# Altium PCB Starboard Deployable Solar Panel 2U.PcbDoc
Units mm, origin at the board's own origin, x right, y up, seen from the top; angles counter-clockwise.
Board outline 214 x 81 mm, 2 copper layers (Top Layer, Bottom Layer), stack 1.649 mm thick; 53 components, 35 nets, 166 pads, 733 vias.
Unrouted connection lines stored in the file: 33.
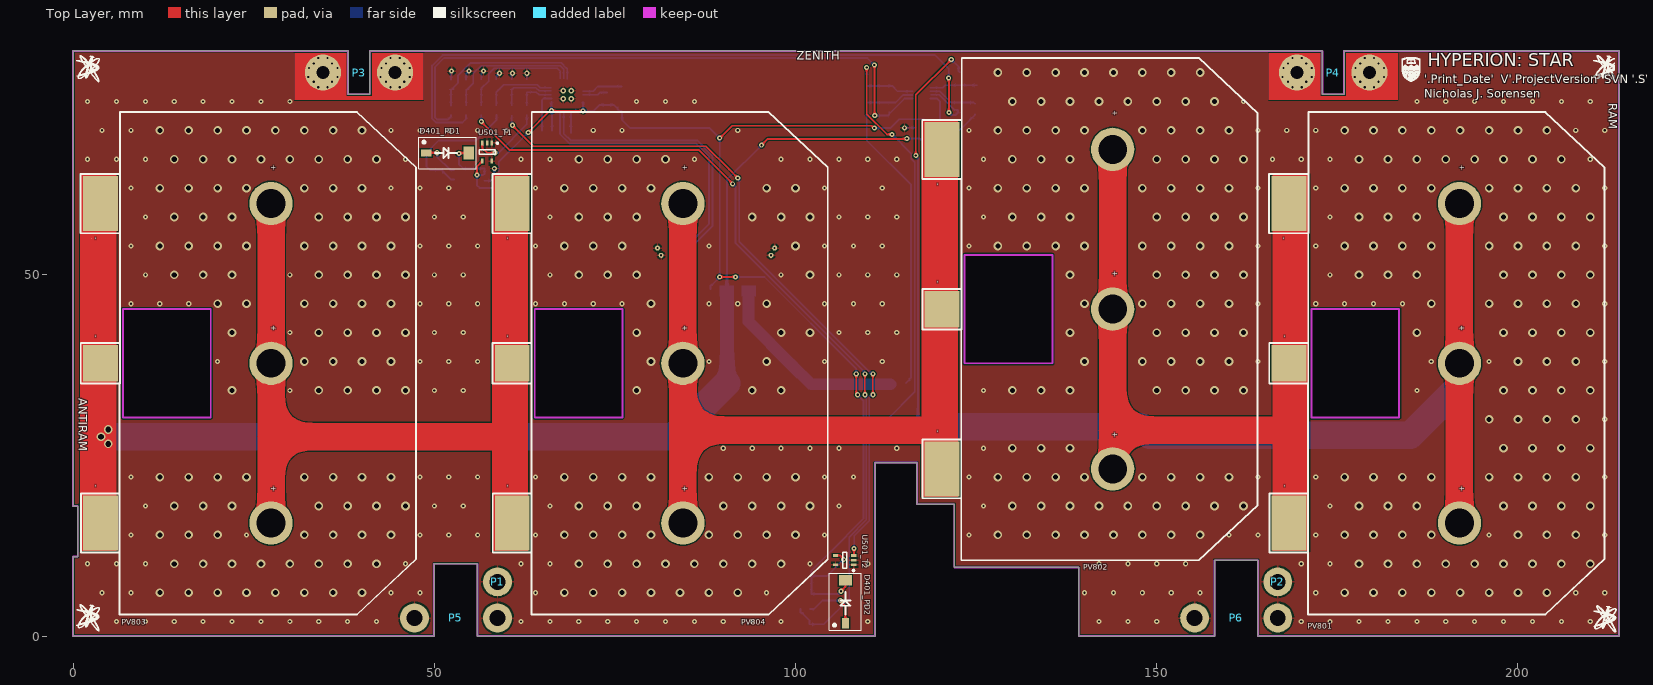
[diagram p0: Top Layer view]
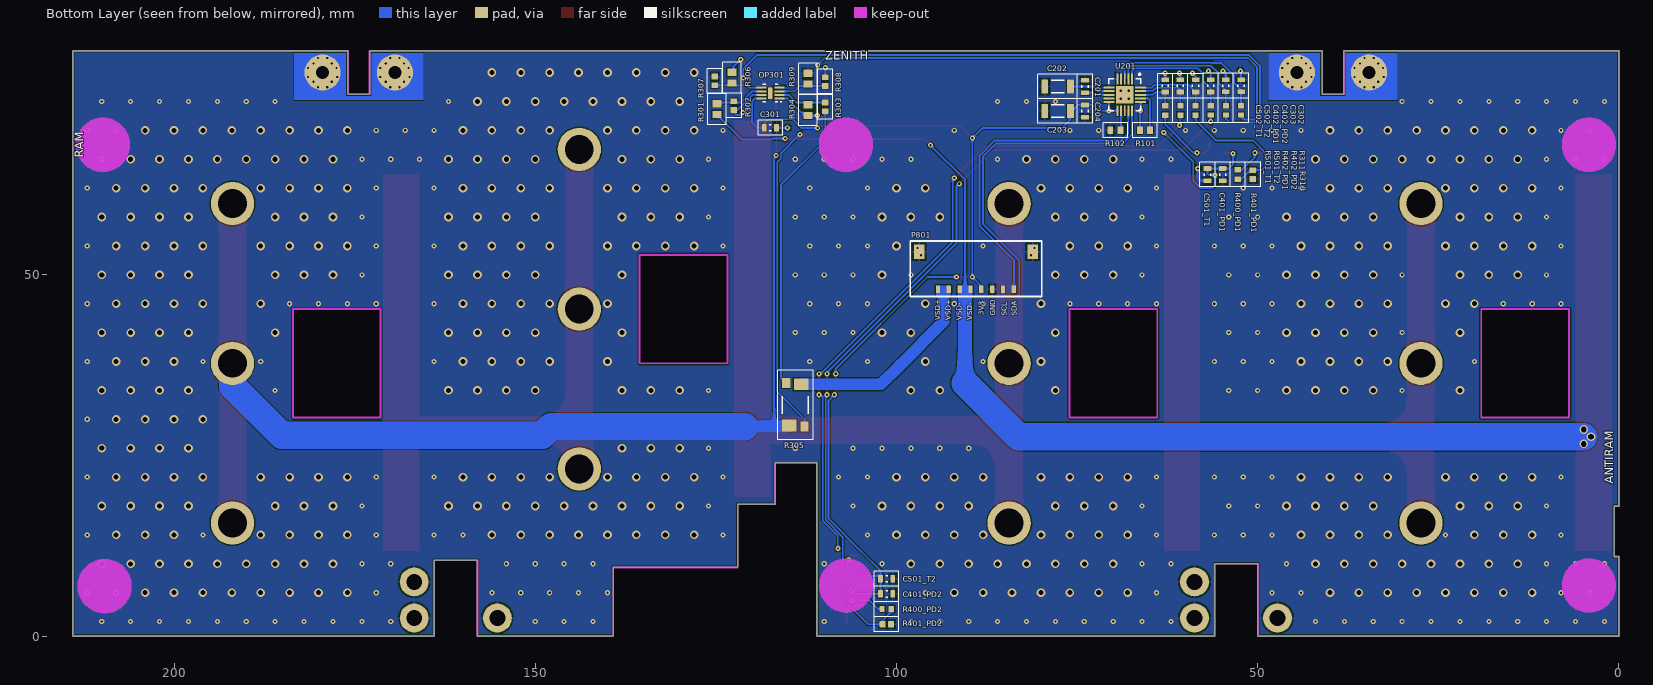
[diagram p1: Bottom Layer view, seen from below]

## Layer stack, top to bottom
Top Solder: solder mask 0.01, Solder Resist, Dk 3.5
Top Layer: signal copper 0.07
Dielectric 1: dielectric 1.509, FR-4, Dk 4.8
Bottom Layer: signal copper 0.07
Bottom Solder: solder mask 0.01, Solder Resist, Dk 3.5

## Board outline
0,11 0.65,11 0.65,18 0,18 0,81 38.055,81 38.055,75 41.055,75 41.055,80.99 41.065,81 172.925,81 172.925,75 175.915,75 175.925,75.01 175.925,81 214,81 214,0 164,0 164,10.5 158,10.5 158,0 139.2,0 139.2,9.5 121.965,9.5 121.965,18.25 116.8,18.25 116.8,24 111,24 111,0 55.965,0 55.965,10 49.965,10 49.965,0 0,0
cut-out: 171.4,30.254 183.55,30.254 183.55,45.254 171.4,45.254
cut-out: 6.9,30.254 19.05,30.254 19.05,45.254 6.9,45.254
cut-out: 63.9,30.254 76.05,30.254 76.05,45.254 63.9,45.254
cut-out: 123.4,37.754 135.55,37.754 135.55,52.754 123.4,52.754

## Design rules (kind name [scope] priority, off if disabled: settings)
BoardOutlineClearance [All] p1: gap=0.254 ignorepadtopadclearanceinfootprint=FALSE
Clearance Clearance_1 [(InComponent('P701') OR InComponent('P702')) vs (InNet('GND') OR OnLayer('Top Layer') OR OnLayer('Bottom Layer'))] p1: gap=0.5 ignorepadtopadclearanceinfootprint=FALSE
Clearance [All] p2: gap=0.152 ignorepadtopadclearanceinfootprint=FALSE
HoleSize [All] p1: absolutevalues=TRUE maxlimit=6 minlimit=0.3 maxpercent=80.000 minpercent=20.000
MinimumAnnularRing [All] p1: minimumring=0.15
MinimumSolderMaskSliver [All] p1: minsoldermaskwidth=0.127
PolygonConnect [All] p1: connectstyle=Relief reliefconductorwidth=0.254 reliefentries=4 polygonreliefangle="90 Angle" airgapwidth=0.254
RoutingVias [All] p1: holewidth=0.3 width=0.7 viastyle="Through Hole" minholewidth=0.2 minwidth=0.7 maxholewidth=6 maxwidth=7 useviatemplates=TRUE viatemplateguid#1={477D698C-0277-436F-B421-087B16838C2D} viatemplatename#1=v70h30m0mx0
SilkToSilkClearance [All] p1: silktosilkclearance=0.025
SilkToSolderMaskClearance [IsPad] p1: minsilkscreentomaskgap=0.025 clearancetoexposedcopper=TRUE
SolderMaskExpansion [All] p1: expansion=0.076 istentingtop=FALSE
Width [All] p1: maxlimit=10.16 minlimit=0.152 preferedwidth=0.254
26 further rules are at their usual default settings.

## Classes and differential pairs
component class Headers: P801
channel class Temp_Sensor: T1 T2 T3
channel class Photodiode_Sun_Sensor: PD1 PD2 PD3
component class T2: C501_T2 C502_T2 R501_T2 U501_T2
component class T1: C501_T1 C502_T1 R501_T1 U501_T1
component class "Starboard Depoyable 2U": R101 R102
component class PD2: C401_PD2 C402_PD2 D401_PD2 R400_PD2 R401_PD2 R402_PD2
component class PD1: C401_PD1 C402_PD1 D401_PD1 R400_PD1 R401_PD1 R402_PD1
component class "Mechanical Interfacing": P1 P2 P3 P4 P5 P6
component class "Current and Voltage Sensors": C301 C302 C303 OP301 R301 R302 R303 R304 R305 R306 R307 R308 R309 R310 R311
component class "Photovoltaic Array": PV801 PV802 PV803 PV804 Q101
net class VIN[0..7]: VIN0 VIN1 VIN2 VIN3 VIN4 VIN5 VIN6
component class "U_AD7291 12-Bit I2C ADC": C201 C202 C203 C204 U201

## Components (designator, comment, footprint, x,y, rotation, side; value= is the part's Value field where it differs from the comment)
C201 "Cap" TDK-CGA3E 73.9,76.07 r270 bottom value=1µF
C202 "Cap" TDK-CGA5L 77.7,76.07 r0 bottom value=10µF
C203 "Cap" TDK-CGA5L 77.7,72.67 r0 bottom value=10µF
C204 "Cap" TDK-CGA3E 73.9,72.67 r90 bottom value=0.1µF
C301 "Cap" TDK-CGA3E 117.45,70.35 r0 bottom value=0.1µF
C302 "Cap" TDK-CGA3E 52.3,76.17 r270 bottom value=680pF
C303 "Cap" TDK-CGA3E 54.401,76.17 r270 bottom value=680pF
C401_PD1 "Cap" TDK-CGA3E 54.85,63.864 r90 bottom value=0.1µF (schematic designator C401)
C401_PD2 "Cap" TDK-CGA3E 101.35,5.83 r0 bottom value=0.1µF (schematic designator C401)
C402_PD1 "Cap" TDK-CGA3E 58.601,76.15 r270 bottom value=680pF (schematic designator C402)
C402_PD2 "Cap" TDK-CGA3E 56.5,76.168 r270 bottom value=680pF (schematic designator C402)
C501_T1 "Cap" TDK-CGA3E 56.95,63.864 r90 bottom value=0.1µF (schematic designator C501)
C501_T2 "Cap" TDK-CGA3E 101.35,7.93 r0 bottom value=0.1µF (schematic designator C501)
C502_T1 "Cap" TDK-CGA3E 62.8,76.15 r270 bottom value=680pF (schematic designator C502)
C502_T2 "Cap" TDK-CGA3E 60.701,76.15 r270 bottom value=680pF (schematic designator C502)
D401_PD1 "PDB-C160SMCT-ND" PDB-C160SM 48.875,66.868 r0 top (schematic designator D401)
D401_PD2 "PDB-C160SMCT-ND" PDB-C160SM 106.9,1.8 r90 top (schematic designator D401)
OP301 "OPA2333" TI-DSG0008A 117.45,75.15 r0 bottom
P1 "Mounting_Hole" BURNWIRE_SCREW_SMALL_FOOT 58.75,7.5 r0 top
P2 "Mounting_Hole" BURNWIRE_SCREW_SMALL_FOOT 166.75,7.5 r0 top
P3 "Mounting_Hole" DEPHINGE_MOUNTING_HOLE 44.575,78 r180 top
P4 "Mounting_Hole" DEPHINGE_MOUNTING_HOLE 179.425,78 r180 top
P5 "Switch Depressor" SWITCH_DEPRESSOR 53,2.5 r0 top
P6 "Switch Depressor" SWITCH_DEPRESSOR 161,2.5 r0 top
P801 "WM14421CT-ND" MOLX-5040500891 89,48 r0 bottom
PV801 "XTJPrime" "XTJ PRIME" 191.9,37.754 r90 top
PV802 "XTJPrime" "XTJ PRIME" 143.9,45.254 r90 top
PV803 "XTJPrime" "XTJ PRIME" 27.4,37.754 r90 top
PV804 "XTJPrime" "XTJ PRIME" 84.4,37.754 r90 top
R101 "Res3" VSH-0603MCT 65.6,70 r0 bottom value=10k
R102 "Res3" VSH-0603MCT 69.7,70 r0 bottom value=10k
R301 "0.1% 1/8W" PANA-ERA6A 124.846,72.925 r90 bottom value=1M
R302 "0.1% 1/10W 0603" PANA-ERA3A 122.496,73.425 r270 bottom value=154k
R303 "0.1% 1/10W 0603" PANA-ERA3A 109.857,73.25 r90 bottom value=2.4k
R304 "0.1% 1/8W" PANA-ERA6A 112.257,72.8 r270 bottom value=1M
R305 "Res Sense" VSH-2512R4C 114,32 r90 bottom value=0.01
R306 "0.1% 1/8W" PANA-ERA6A 122.75,77.3 r270 bottom value=1M
R307 "0.1% 1/10W 0603" PANA-ERA3A 125.15,76.85 r90 bottom value=154k
R308 "0.1% 1/10W 0603" PANA-ERA3A 109.857,76.75 r270 bottom value=2.4k
R309 "0.1% 1/8W" PANA-ERA6A 112.257,77.15 r90 bottom value=1M
R310 "Res3" PANA-ERJ3EK 52.3,72.77 r270 bottom value=100
R311 "Res3" PANA-ERJ3EK 54.4,72.77 r270 bottom value=100
R400_PD1 "Res3" PANA-ERJ3EK 52.762,63.867 r90 bottom value=9.09k (schematic designator R400)
R400_PD2 "Res3" PANA-ERJ3EK 101.35,3.729 r0 bottom value=9.09k (schematic designator R400)
R401_PD1 "0.1% 1/16W" PANA-ERA3A 50.65,63.864 r90 bottom value=24k (schematic designator R401)
R401_PD2 "0.1% 1/16W" PANA-ERA3A 101.35,1.63 r0 bottom value=24k (schematic designator R401)
R402_PD1 "Res3" PANA-ERJ3EK 58.6,72.75 r270 bottom value=100 (schematic designator R402)
R402_PD2 "Res3" PANA-ERJ3EK 56.5,72.768 r270 bottom value=100 (schematic designator R402)
R501_T1 "Res3" PANA-ERJ3EK 62.801,72.75 r270 bottom value=100 (schematic designator R501)
R501_T2 "Res3" PANA-ERJ3EK 60.701,72.75 r270 bottom value=100 (schematic designator R501)
U201 "AD7291" ADI-CP-20-8 68.4,74.92 r270 bottom
U501_T1 "TMP235AEDCKRQ1" TI-R-PDSO-G5 57.3,67 r270 top (schematic designator U501)
U501_T2 "TMP235AEDCKRQ1" TI-R-PDSO-G5 106.8,10.5 r180 top (schematic designator U501)

## Footprints (in the part's own frame and the unit in brackets; to place one, negate y for a bottom-side part, rotate by r counter-clockwise, add the part's x,y. Pads: shape width x height; smd on the part's side, far side on the other; paste and mask are expansions set on the pad)
ADI-CP-20-8 [mm] "QFN, 20-Leads, Body 4.00x4.00mm, Pitch 0.50mm, Thermal Pad 2.55x2.55mm, IPC Low Density"
  rect 1.5x0.27 smd mask+0.038: 1(-2.2,1) 2(-2.2,0.5) 3(-2.2,0) 4(-2.2,-0.5) 5(-2.2,-1) 11(2.2,-1) 12(2.2,-0.5) 13(2.2,0) 14(2.2,0.5) 15(2.2,1)
  rect 0.27x1.5 smd mask+0.038: 6(-1,-2.2) 7(-0.5,-2.2) 8(0,-2.2) 9(0.5,-2.2) 10(1,-2.2) 16(1,2.2) 17(0.5,2.2) 18(0,2.2) 19(-0.5,2.2) 20(-1,2.2)
  rect 2.4x2.4 smd: 21(0,0)
  silkscreen extent -2.97,-2.2 2.2,2.2, body extent -2.07,-2.07 2.07,2.07, height 0.8
BURNWIRE_SCREW_SMALL_FOOT [mm]
  round 4 hole 2.2: 1(0,0)
  body extent -2.25,-2.31 2.25,2.31, height 2.15
DEPHINGE_MOUNTING_HOLE [mm]
  round 5 hole 1.8: 1(0,0) 1(10,0)
  Top Layer region: 3.2,-2.7 3.2,3.3 6.8,3.3 6.8,-2.7 13.9,-2.7 13.9,3.8 -3.9,3.8 -3.9,-2.7
  Bottom Layer region: 3.2,-2.7 3.2,3.3 6.8,3.3 6.8,-2.7 13.9,-2.7 13.9,3.8 -3.9,3.8 -3.9,-2.7
MOLX-5040500891 [mm]
  rect 0.6x1 smd: 1(-5.25,0) 2(-3.75,0) 3(-2.25,0) 4(-0.75,0) 5(0.75,0) 6(2.25,0) 7(3.75,0) 8(5.25,0)
  round 0.7 hole 0.3 mask+0.102: M1(-8.105,-5.7) M1(-7.605,-4.7) M2(7.605,-4.7) M2(8.105,-5.7)
  rect 1.5x2 smd: M1(-7.855,-5.2) M2(7.855,-5.2)
  silkscreen extent -9.1,-6.7 9.1,1, body extent -8.27,-8.2 8.27,0.39, height 2.01
PANA-ERA3A [mm] "Chip Resistor, 2-Leads, Body 1.60x0.80mm, IPC High Density"
  rect 0.8x0.9 smd: 1(-0.6,0) 2(0.6,0)
  silkscreen extent -1.7,-1.05 1.7,1.05, body extent -0.9,-0.5 0.9,0.5, height 0.55
PANA-ERA6A [mm] "Chip Resistor, 2-Leads, Body 2.00x1.25mm, IPC High Density"
  rect 1x1.25 smd: 1(-0.75,0) 2(0.75,0)
  silkscreen extent -2.15,-1.3 2.15,1.3, body extent -1.1,-0.67 1.1,0.67, height 0.6
PANA-ERJ3EK [mm] "Chip Resistor, 2-Leads, Body 1.60x0.85mm, IPC High Density"
  rect 0.75x0.85 smd: 1(-0.65,0) 2(0.65,0)
  silkscreen extent -1.7,-1.05 1.7,1.05, body extent -0.88,-0.48 0.87,0.48, height 0.55
PDB-C160SM [mm] "Photodiode"
  rect 1.45x1 smd: 1(0,0)
  rect 1.45x1.8 smd: 2(5.9,0)
  silkscreen extent -1,-2.2 6.9,2.2, body extent -0.29,-1.87 6.18,1.97, height 1.15
SWITCH_DEPRESSOR [mm]
  round 4 hole 2.2: 1(-5.75,0) 1(5.75,0)
  body extent -8,-2.31 8,2.31, height 4.85
TDK-CGA3E [mm] "Chip Capacitor, 2-Leads, Body 1.60x0.80mm, IPC Low Density"
  rect 0.65x1.05 smd: 1(-0.85,0) 2(0.85,0)
  silkscreen extent -1.7,-1.05 1.7,1.05, body extent -0.85,-0.45 0.85,0.45, height 0.8
TDK-CGA5L [mm] "Chip Capacitor, 2-Leads, Body 3.20x1.60mm, IPC Low Density"
  rect 0.95x1.9 smd: 1(-1.775,0) 2(1.775,0)
  silkscreen extent -2.75,-1.7 2.75,1.7, body extent -1.7,-0.9 1.7,0.9, height 1.6
TI-DSG0008A [mm] "SON, 8-Leads, Body 2.00x2.00mm, Pitch 0.50mm, Thermal Pad 1.60x0.69mm, IPC Low Density"
  rect 1.4x0.27 smd mask+0.051: 1(-1.245,0.75) 2(-1.245,0.25) 3(-1.245,-0.25) 4(-1.245,-0.75) 5(1.245,-0.75) 6(1.245,-0.25) 7(1.245,0.25) 8(1.245,0.75)
  rect 0.6x1.6 smd mask+0.051: 9(0,0)
  silkscreen extent -1.5,-1.2 1.05,1.25, body extent -1.05,-1.05 1.05,1.05, height 0.8
TI-R-PDSO-G5 [mm] "SOT23, 5-Leads, Body 2.00x2.10mm, Pitch 0.65mm, IPC Low Density"
  rect 0.712x0.35 smd: 1(-1.266,0.65) 2(-1.266,0) 3(-1.266,-0.65) 4(1.266,-0.65) 5(1.266,0.65)
  silkscreen extent -1.35,-1.1 0.3,1.55, body extent -1.2,-1.07 1.2,1.08, height 1.1
VSH-0603MCT [mm] "Chip Resistor, 2-Leads, Body 1.55x0.85mm, IPC Low Density"
  rect 0.8x1.05 smd: 1(-0.7,0) 2(0.7,0)
  silkscreen extent -1.7,-1.05 1.7,1.05, body extent -0.8,-0.48 0.8,0.48, height 0.55
VSH-2512R4C [mm]
  rect 1.65x2.01 smd: 1(-2.855,0.835) 2(2.855,-0.835)
  rect 1.39x1.14 smd: 3(2.999,1.27) 4(-2.999,-1.27)
  silkscreen extent -4.8,-2.45 4.8,2.45, body extent -3.15,-1.55 3.15,1.55, height 0.61
"XTJ PRIME" [mil] "Spectrolab Solar Cell"
  round 236.22 hole 157.48: 1(-870.5,0) 1(0,0) 1(870.5,0)
  rect 300x190 smd: 2(-870.5,930) 2(870.5,930)
  rect 200x190 smd: 2(0,930)
  silkscreen extent -1369,-790 1369,1038, body extent -1356,-778 1356,1006, height 63

## Part data
C201: library part PC-TDK-02603, "CAP CER 1UF 25V X7R 0603", Manufacturer Part Number=CGA3E1X7R1E105K080AC, Supplier Part Number 1=445-6931-1-ND, Temperature Coefficient=X7R, Tolerance=±10%, Voltage - Rated=25V, Applications=Automotive, Index=2603, LatestRevisionDate=2016-03-16, LatestRevisionNote=..., PackageDescription="Radial Cap, Thru-Hole; 2 Leads; 0.3 in Pin Spacing", PackageReference="0603 (1608 Metric)", Part Number=PC-TDK-02603, Published=2016-03-16, Publisher=AlbertaSat, Supplier 1=Digi-key, Supplier Link=http://www.digikey.ca/product-search/en?keywords=445-6931-1-ND
C202 C203: library part PC-TDK-02917, "CAP CER 10UF 25V X7R 1206", Manufacturer Part Number=CGA5L1X7R1E106K160AC, Supplier Part Number 1=445-6990-1-ND, Temperature Coefficient=X7R, Tolerance=±10%, Voltage - Rated=25V, Applications=Automotive, Index=2917, LatestRevisionDate=3/16/2016, LatestRevisionNote=..., PackageDescription="Radial Cap, Thru-Hole; 2 Leads; 0.3 in Pin Spacing", PackageReference="1206 (3216 Metric)", Part Number=PC-TDK-02917, Published=3/16/2016, Publisher=AlbertaSat, Supplier 1=Digi-key, Supplier Link=http://www.digikey.ca/product-search/en?keywords=445-6990-1-ND
C204 C301 C401_PD1 C401_PD2 C501_T1 C501_T2: library part PC-TDK-02270, "CAP CER 0.1UF 25V X7R 0603", Manufacturer Part Number=CGA3E2X7R1E104M080AA, Supplier Part Number 1=445-12541-1-ND, Temperature Coefficient=X7R, Tolerance=±20%, Voltage - Rated=25V, Applications=Automotive, Index=2270, LatestRevisionDate=3/16/2016, LatestRevisionNote=..., PackageDescription="Radial Cap, Thru-Hole; 2 Leads; 0.3 in Pin Spacing", PackageReference="0603 (1608 Metric)", Part Number=PC-TDK-02270, Published=3/16/2016, Publisher=AlbertaSat, Supplier 1=Digi-key, Supplier Link=http://www.digikey.ca/product-search/en?keywords=445-12541-1-ND
C302 C303 C402_PD1 C402_PD2 C502_T1 C502_T2: library part PC-TDK-01433, "CAP CER 680PF 50V X7R 0603", Manufacturer Part Number=CGA3E2X7R1H681K, Supplier Part Number 1=445-6919-1-ND, Temperature Coefficient=X7R, Tolerance=±10%, Voltage - Rated=50V, Applications=Automotive, Index=1433, LatestRevisionDate=3/16/2016, LatestRevisionNote=..., PackageDescription="Radial Cap, Thru-Hole; 2 Leads; 0.3 in Pin Spacing", PackageReference="0603 (1608 Metric)", Part Number=PC-TDK-01433, Published=3/16/2016, Publisher=AlbertaSat, Supplier 1=Digi-key, Supplier Link=http://www.digikey.ca/product-search/en?keywords=445-6919-1-ND
D401_PD1 D401_PD2: library part PXX-ADP-00000, "SENSOR PHOTODIODE 850NM 2SMD GW", Manufacturer Part Number="Advanced Photonics", Index=1, LatestRevisionDate=3/28/2020, LatestRevisionNote=..., PackageReference=PIN2, Part Number=PXX-ADP-00000, Published=3/28/2020, Publisher=AlbertaSat, Supplier 1=Digi-key, Supplier Part Number 1=PDB-C160SMCT-ND
OP301: library part 73, "CMOS Amplifier 2 Circuit Rail-to-Rail 8-WSON (2x2)", Manufacturer Part Number=OPA2333PIDSGR, Operating Temperature="-55°C ~ 150°C", Supplier Part Number 1=296-51501-1-ND, Voltage - Supply="1.8V ~ 5.5V, ±0.9V ~ 2.75V", PackageReference="8-WFDFN Exposed Pad", Part Number=73, Supplier 1=Digi-Key, Supplier 2=Mouser, Supplier Link=#https://www.digikey.ca/product-detail/en/texas-instruments/OPA2333PIDSGR/296-51501-1-ND/9745865#, Supplier Part Number 2=595-OPA2333PIDSGR
P1 P2: library part PXX-ABS-00016, Manufacturer Part Number=Custom, Index=16, LatestRevisionNote=..., Part Number=PXX-ABS-00016, Publisher=AlbertaSat, Supplier 1=Digi-key
P3 P4: library part PXX-ABS-00003, "Depolyable Hinge Mounting hole.", Manufacturer Part Number=N/A, Index=3, LatestRevisionNote=..., PackageReference=P?, Part Number=PXX-ABS-00003, Publisher=AlbertaSat, Supplier 1=N/A, Supplier Part Number 1=N/A
P5 P6: library part PXX-ABS-00005, "Hardware for depressing the switch", Manufacturer Part Number=Custom, Index=5, LatestRevisionNote=..., Part Number=PXX-ABS-00005, Publisher=AlbertaSat, Supplier 1=Digi-key
P801: library part 67, "CONN HEADER SMD R/A 8POS 1.5MM", Manufacturer Part Number=5040500891, LatestRevisionDate=17-Jul-2002, LatestRevisionNote="Re-released for DXP Platform.", Part Number=67, Publisher="Altium Limited", Supplier 1=Digi-Key, Supplier Link=#https://www.digikey.ca/product-detail/en/molex/5040500891/WM14421CT-ND/6133151#, Supplier Part Number 1=WM14421CT-ND
PV801 PV802 PV803 PV804: library part PBT-SPEC-00002, Manufacturer Part Number=Spectrolab, Supplier Part Number 1="UTJ CIC 26.26cm^2", Index=2, LatestRevisionNote=..., PackageReference="3-Connector Solar Cell", Part Number=PBT-SPEC-00002, Publisher=AlbertaSat, Supplier 1=Spectrolab
R101 R102: library part PR-VSH-00143, "RES SMD 10K OHM 1% 1/8W 0603", Manufacturer Part Number=MCT06030C1002FP500, Power - Rated=1/8W, Supplier Part Number 1=MCT0603-10.0K-CFCT-ND, Temperature Coefficient=±50ppm/°C, Tolerance=±1%, Applications="General Purpose", Index=143, LatestRevisionDate=3/14/2016, LatestRevisionNote=..., PackageDescription="Chip Resistor, 2-Leads, Body 1.55x0.85mm, IPC Low Density", PackageReference="0603 (1608 Metric)", Part Number=PR-VSH-00143, Published=3/14/2016, Publisher=AlbertaSat, Supplier 1=Digi-key, Supplier Link=http://www.digikey.ca/product-search/en?keywords=MCT0603-10.0K-CFCT-ND
R301 R304 R306 R309: library part 19706, "RES SMD 1M OHM 0.1% 1/8W 0805", Manufacturer Part Number=ERA-6AEB105V, Power="0.125W, 1/8W", Supplier Part Number 1=P1MDACT-ND, Temperature Coefficient=±25ppm/°C, Tolerance=±0.1%, LatestRevisionDate=29-May-2009, LatestRevisionNote="IPC-7351 Footprint Added.", PackageDescription="Chip Resistor, 2-Leads, Body 2.00x1.25mm, IPC Low Density", PackageReference="0805 (2012 Metric)", Part Number=19706, Published=8-Jun-2000, Publisher="Altium Limited", Supplier 1=Digi-Key, Supplier Link=http://www.digikey.ca/product-search/en?keywords=P1MDACT-ND
R302 R307: library part 18923, "RES SMD 154K OHM 0.1% 1/10W 0603", Manufacturer Part Number=ERA-3AEB1543V, Power="0.1W, 1/10W", Supplier Part Number 1=P154KDBCT-ND, Temperature Coefficient=±25ppm/°C, Tolerance=±0.1%, LatestRevisionDate=29-May-2009, LatestRevisionNote="IPC-7351 Footprint Added.", PackageDescription="Chip Resistor, 2-Leads, Body 1.60x0.80mm, IPC Low Density", PackageReference="0603 (1608 Metric)", Part Number=18923, Published=8-Jun-2000, Publisher="Altium Limited", Supplier 1=Digi-Key, Supplier Link=http://www.digikey.ca/product-search/en?keywords=P154KDBCT-ND
R303 R308: library part 16107, "RES SMD 2.4K OHM 0.1% 1/10W 0603", Manufacturer Part Number=ERA-3ARB242V, Power="0.1W, 1/10W", Supplier Part Number 1=P2.4KBDCT-ND, Temperature Coefficient=±10ppm/°C, Tolerance=±0.1%, LatestRevisionDate=29-May-2009, LatestRevisionNote="IPC-7351 Footprint Added.", PackageDescription="Chip Resistor, 2-Leads, Body 1.60x0.80mm, IPC Low Density", PackageReference="0603 (1608 Metric)", Part Number=16107, Published=8-Jun-2000, Publisher="Altium Limited", Supplier 1=Digi-Key, Supplier Link=http://www.digikey.ca/product-search/en?keywords=P2.4KBDCT-ND
R305: library part PR-VSH-00237, "RES SMD 0.01 OHM 0.1% 1W 2512", Manufacturer Part Number=Y14870R01000B9W, Power - Rated=1W, Supplier Part Number 1=Y1487-.01-ND, Temperature Coefficient=±15ppm/°C, Tolerance=±0.1%, Applications=Automotive, Index=237, LatestRevisionDate=2017-07-12, LatestRevisionNote=..., PackageReference=VSH-2512R4C, Part Number=PR-VSH-00237, Published=2017-07-12, Publisher=AlbertaSat, Supplier 1=Digi-key, Supplier Link=http://www.digikey.ca/product-search/en?keywords=Y1487-.01-ND
R310 R311 R402_PD1 R402_PD2 R501_T1 R501_T2: library part 14083, "RES SMD 100 OHM 1% 1/10W 0603", Manufacturer Part Number=ERJ-3EKF1000V, Power="0.1W, 1/10W", Supplier Part Number 1=P100HCT-ND, Temperature Coefficient=±100ppm/°C, Tolerance=±1%, LatestRevisionDate=29-May-2009, LatestRevisionNote="IPC-7351 Footprint Added.", PackageDescription="Chip Resistor, 2-Leads, Body 1.60x0.80mm, IPC Low Density", PackageReference="0603 (1608 Metric)", Part Number=14083, Published=8-Jun-2000, Publisher="Altium Limited", Supplier 1=Digi-Key, Supplier Link=http://www.digikey.ca/product-search/en?keywords=P100HCT-ND
R400_PD1 R400_PD2: library part 17130, "RES SMD 9.09K OHM 1% 1/10W 0603", Manufacturer Part Number=ERJ-3EKF9091V, Power="0.1W, 1/10W", Supplier Part Number 1=P9.09KHCT-ND, Temperature Coefficient=±100ppm/°C, Tolerance=±1%, LatestRevisionDate=29-May-2009, LatestRevisionNote="IPC-7351 Footprint Added.", PackageDescription="Chip Resistor, 2-Leads, Body 1.60x0.80mm, IPC Low Density", PackageReference="0603 (1608 Metric)", Part Number=17130, Published=8-Jun-2000, Publisher="Altium Limited", Supplier 1=Digi-Key, Supplier Link=http://www.digikey.ca/product-search/en?keywords=P9.09KHCT-ND
R401_PD1 R401_PD2: library part 17836, "RES SMD 24K OHM 0.1% 1/10W 0603", Manufacturer Part Number=ERA-3ARB243V, Power="0.1W, 1/10W", Supplier Part Number 1=P24KBDCT-ND, Temperature Coefficient=±10ppm/°C, Tolerance=±0.1%, LatestRevisionDate=29-May-2009, LatestRevisionNote="IPC-7351 Footprint Added.", PackageDescription="Chip Resistor, 2-Leads, Body 1.60x0.80mm, IPC Low Density", PackageReference="0603 (1608 Metric)", Part Number=17836, Published=8-Jun-2000, Publisher="Altium Limited", Supplier 1=Digi-Key, Supplier Link=http://www.digikey.ca/product-search/en?keywords=P24KBDCT-ND
U201: library part PU-ADI-00006, "IC ADC 12BIT SAR 20LFCSP", Manufacturer Part Number=AD7291TCPZ-EP, Supplier Part Number 1=AD7291TCPZ-EP-ND, Index=6, LatestRevisionDate=2019-07-16, LatestRevisionNote=..., PackageDescription="QFN, 20-Leads, Body 4.00x4.00mm, Pitch 0.50mm, Thermal Pad 2.55x2.55mm, IPC Low Density", PackageReference="20-WFQFN Exposed Pad", Part Number=PU-ADI-00006, Published=2019-07-16, Publisher=AlbertaSat, Supplier 1=Digi-key, Supplier 2=Mouser, Supplier Link=#https://www.digikey.ca/products/en?keywords=AD7291TCPZ-EP-ND#, Supplier Part Number 2=584-AD7291TCPZ-EP
U501_T1 U501_T2: library part 136, "LOW-POWER HIGH-ACCURACY ANALOG O", Operating Temperature="-40°C~150°C (TJ)", Supplier Part Number 1=296-TMP235AEDCKRQ1CT-ND, Manufacturer Part Number=TMP235AEDCKRQ1, PackageReference=SC-70-5, Part Number=136, Supplier 1=Digi-Key, Supplier Link=#https://www.digikey.ca/en/products/detail/texas-instruments/TMP235AEDCKRQ1/11308802#

## Via types
v1: diameter 1.2, hole 0.7, Top Layer to Bottom Layer, 394 vias
v2: diameter 0.71, hole 0.3, Top Layer to Bottom Layer, tented both sides, 241 vias
v3: diameter 0.655, hole 0.3, Top Layer to Bottom Layer, 48 vias
v4: diameter 0.7, hole 0.3, Top Layer to Bottom Layer, tented both sides, 43 vias
v5: diameter 0.711, hole 0.33, Top Layer to Bottom Layer, tented top, 4 vias
v6: diameter 1.2, hole 0.8, Top Layer to Bottom Layer, tented both sides, 3 vias

## Nets (pads, with @x,y where several pads share a name; then routed paths per layer and width w, separated by ;. In a path a pad name is that pad's centre, name@x,y a point inside that pad or via, vN(x,y) a via of type N, cw(c..) or ccw(c..) an arc to the next point about the centre after c; other vN are vias at no path point)
3V3: C203.1 C204.2 C301.2 C401_PD1.2 C401_PD2.2 C501_T1.2 C501_T2.2 D401_PD1.2 D401_PD2.2 OP301.8 P801.4 R101.2 U201.10 U201.11 U201.16 U501_T1.4 U501_T2.4 | length 191.7
  Top Layer w0.254: v4(53.4,66.8) 53.468,66.868 D401_PD1.2 ; v4(55.9,63.8) 55.9,64.984 U501_T1.4 ; v4(63,69.7) 65.847,72.547 65.906,72.547 66.079,72.72 v4(66.2,72.72) 66.22,72.7 v4(70.6,72.7) ; v4(89.5,49.7) v4(91.7,49.7) ; v4(89.5,68.921) 91.214,70.634 110.528,70.634 110.863,70.3 v4(110.9,70.3) ; U501_T2.4 106.2,11.15 106.665,10.685 v4(106.665,10.6) ; v4(106.3,6.2) 106.9,6.8 D401_PD2.2 ; v4(108.4,36.3) 108.4,33.6 v4(108.6,33.4)
  Bottom Layer w0.254: v4(53.4,66.8) 53.4,65.3 53.986,64.714 C401_PD1.2 C501_T1.2 56.95,64.02 56.73,63.8 v4(55.9,63.8) 55.9,62.399 56.261,62.038 57.961,62.038 58.929,63.006 58.929,65.629 v4(63,69.7) ; U201.16 v4(66.2,72.72) 66.3,72.62 R101.2 ; U201.11 70.58,72.72 v4(70.6,72.7) ; U201.10 v4(70.6,72.7) ; P801.4 88.25,48.45 v4(89.5,49.7) v4(89.5,68.921) 88.121,70.3 77.121,70.3 76,71.421 76,72.595 C203.1 75.7,72.67 74.85,73.52 C204.2 72.9,73.52 72.08,72.7 v4(70.6,72.7) ; v4(91.7,49.7) 95.7,49.7 108.4,37 v4(108.4,36.3) ; v4(106.3,6.2) v4(106.3,6.2) 105.928,5.83 C401_PD2.2 C501_T2.2 C501_T2.2@102.2,8.13 ; v4(106.665,10.6) 104.393,8.328 102.398,8.328 C501_T2.2@102.2,8.13 ; v4(108.6,33.4) 109.4,32.6 109.4,16.242 104.85,11.692 104.842,11.692 102.2,9.05 C501_T2.2@102.2,8.13 ; v4(110.9,70.3) 113.1,70.3 114.33,71.53 117.759,71.53 118.3,70.989 C301.2 119.359,70.35 119.984,70.975 119.984,74.025 119.609,74.4 OP301.8
I_buffer_out: OP301.1 R304.2 R310.2 | length 84.7
  Top Layer w0.254: v4(110.9,79.05) 110.93,79.02 110.93,72.06 v4(110.96,72.03)
  Bottom Layer w0.254: R310.2 52.3,71.9 51.906,71.506 50.368,71.506 50.106,71.768 50.106,78.797 51.32,80.011 109.939,80.011 v4(110.9,79.05) ; v4(110.96,72.03) 112.237,72.03 R304.2 112.734,72.05 115.084,74.4 OP301.1
NetC201_2: C201.2 U201.8 | length 3.4
  Bottom Layer w0.254: U201.8 72.6,74.92 72.9,75.22 C201.2
NetC202_1: C202.1 U201.7 | length 5.6
  Bottom Layer w0.254: U201.7 72,75.42 72.65,76.07 C202.1
NetD401_PD1_1: D401_PD1.1 R400_PD1.2 | length 5.2
  Top Layer w0.254: D401_PD1.1 48.907,66.9 v4(50.4,66.9)
  Bottom Layer w0.254: v4(50.4,66.9) 50.4,66.3 52.183,64.517 R400_PD1.2
NetD401_PD2_1: D401_PD2.1 R400_PD2.2 | length 8.1
  Top Layer w0.254: v4(106.195,4.9) 106.9,4.195 D401_PD2.1
  Bottom Layer w0.254: R400_PD2.2 102.516,3.729 103.687,4.9 v4(106.195,4.9)
NetOP301_2: OP301.2 R303.2 R304.1 | length 6.8
  Bottom Layer w0.254: R303.2 113.859,73.85 114.909,74.9 OP301.2
NetOP301_3: OP301.3 R308.2 R309.1 | length 6.7
  Bottom Layer w0.254: R308.2 113.359,76.15 114.109,75.4 OP301.3
NetOP301_5: OP301.5 R306.2 R307.1 | length 6.6
  Bottom Layer w0.254: OP301.5 120.359,75.9 120.709,76.25 R307.1
NetOP301_6: OP301.6 R301.2 R302.1 | length 6.9
  Bottom Layer w0.254: OP301.6 119.984,75.4 121.534,73.85 124.671,73.85 R301.2
NetPV801_2: PV801.2 PV802.1 | length 69.3
  Top Layer w3.81: PV802.1@143.9,23.508 143.9,28.5 ; PV802.1@143.9,67.729 143.9,28.5 ; 169,28.5 143.9,28.5
NetPV802_2: PV802.2 PV804.1 | length 79.3
  Top Layer w3.81: PV804.1@84.4,16.008 84.4,28.5 ; PV804.1@84.4,60.229 84.4,37.754 84.4,28.5 ; 119.5,28.5 84.4,28.5
NetPV803_1: PV803.1 PV804.2 | length 75.2
  Top Layer w3.81: PV803.1@27.4,16.008 27.4,27.6 ; PV803.1@27.4,60.229 27.4,37.754 27.4,27.6 ; 58.385,27.6 27.4,27.6
NetR101_1: R101.1 U201.17 | length 5.6
  Bottom Layer w0.254: R101.1 64.9,74.175 65.145,74.42 U201.17
NetR102_1: R102.1 U201.12 | length 3.1
  Bottom Layer w0.254: R102.1@68.9,69.62 68.9,71.42 U201.12
NetR303_1: R303.1 R305.3 | length 40.5
  Bottom Layer w0.254: R303.1 109.857,68.592 116,62.448 116,35.729 R305.3
NetR305_4: R305.4 R308.1 | length 55.8
  Top Layer w0.254: v4(109.85,78.7) 109.85,72.25 112.658,69.442 v4(113.359,69.442)
  Bottom Layer w0.254: v4(109.85,78.7) 109.85,77.357 R308.1 ; R305.4 112.73,30.03 116.5,33.8 116.5,63.4 116.5,65.584 116.021,66.063 116.021,66.78 v4(113.359,69.442)
NetR400_PD1_1: R400_PD1.1 R401_PD1.2 R402_PD1.2 | length 18.7
  Bottom Layer w0.254: R400_PD1.1 52.283,63.217 51.036,64.464 R401_PD1.2 50.597,64.517 49.4,64.517 48.9,65.017 48.9,66.85 50.65,68.6 55.781,68.6 58.601,71.42 ; 58.6,71.421 R402_PD1.2
NetR400_PD2_1: R400_PD2.1 R401_PD2.2 R402_PD2.2 | length 115.1
  Top Layer w0.203: v4(109.6,33.4) v4(109.6,36.3)
  Top Layer w0.254: v4(56.5,71.2) 60.4,67.3 86.6,67.3 v4(91.3,62.6)
  Bottom Layer w0.203: 107.4,5.1 107.4,13.703 109.806,16.109 109.806,33.281 109.616,33.472 109.6,33.456 v4(109.6,33.4)
  Bottom Layer w0.254: v4(56.5,71.2) R402_PD2.2 ; v4(91.3,62.6) 91.7,62.2 91.7,54.4 109.6,36.5 v4(109.6,36.3) ; R400_PD2.1 100.7,3.35 101.95,2.1 R401_PD2.2 103.93,1.63 107.4,5.1
NetR501_T1_2: R501_T1.2 U501_T1.3 | length 10
  Top Layer w0.254: U501_T1.3 56.65,67.55 57.3,66.9 v4(58.4,66.9)
  Bottom Layer w0.254: v4(58.4,66.9) 58.423,66.923 58.903,66.923 62.8,70.82 R501_T1.2@62.8,72.099
NetR501_T2_2: R501_T2.2 U501_T2.3 | length 97
  Top Layer w0.203: U501_T2.3 108.1,11.184 v4(108.1,12.1) ; v4(110.7,33.4) v4(110.7,36.3)
  Top Layer w0.254: v4(60.8,70.7) 63.7,67.8 87.6,67.8 90.8,64.6 v4(92,63.4)
  Bottom Layer w0.203: R501_T2.2 60.701,70.799 v4(60.8,70.7) ; v4(108.1,12.1) 108.1,13.9 110.187,15.987 110.187,32.97 110.198,32.981 110.198,33.098 110.5,33.4 v4(110.7,33.4)
  Bottom Layer w0.254: v4(92,63.4) 92.2,63.2 92.2,54.6 110.5,36.3 v4(110.7,36.3)
NetU201_13: U201.13
SCL: P801.2 U201.15 | length 49.4
  Bottom Layer w0.254: U201.15 67.4,69.481 68.687,68.194 86.196,68.194 88,66.389 88,57 83,52 83,47.306 83.306,47 84.9,47 85.25,47.35 P801.2
SDA: P801.1 U201.14 | length 45.5
  Bottom Layer w0.254: U201.14 67.912,72.708 67.912,69.543 68.856,68.6 86.4,68.6 88.5,66.5 88.5,56.75 83.75,52 P801.1
V+: PV801.1 R305.1 R306.1 | length 183
  Top Layer w0.254: v4(116.65,66.5) 116.65,74.9 v4(121.55,79.8)
  Top Layer w3.81: PV801.1@191.9,15.643 191.9,37.754 PV801.1@191.9,59.865
  Bottom Layer w0.254: v4(116.65,66.5) 116.65,66.41 116.932,66.128 116.932,29.032 ; v4(121.55,79.8) 122.568,78.782 122.568,78.232 R306.1
  Bottom Layer w1.651: R305.1 114.948,29.032 116.932,29.032 120.969,29.032 121,29.001
  Bottom Layer w3.81: 121,29.001 138.757,29.001 147.799,29.001 149,27.8 185.1,27.8 191.9,34.6 PV801.1@191.9,37.754
V-: P801.5 P801.6 PV803.2 R301.1 | length 155
  Top Layer w0.254: v4(95.293,67.941) 96.164,68.812 115.362,68.812 v4(115.4,68.85)
  Bottom Layer w0.254: 90.5,47.306 90.5,63.148 v4(95.293,67.941) ; v4(115.4,68.85) 117.156,68.85 117.256,68.75 121.421,68.75 R301.1
  Bottom Layer w1.905: 90.5,35 90.5,47.306
  Bottom Layer w3.81: 4.9,27.6 83.1,27.6 90.5,35
  other v6: 4.851,26.6 3.851,27.6 4.851,28.6
V_buffer_out: OP301.7 R302.2 R311.2 | length 98.8
  Top Layer w0.254: v4(121.2,77.25) 121.225,77.225 121.225,72.475 v4(121.25,72.45)
  Bottom Layer w0.203: OP301.7 119.864,74.9 121.939,72.825 R302.2 R302.2@122.3,72.629
  Bottom Layer w0.254: R311.2 54.4,71.6 53.9,71.1 50.2,71.1 49.7,71.6 49.7,78.965 51.152,80.417 119.333,80.417 121.2,78.55 v4(121.2,77.25) ; v4(121.25,72.45) 121.272,72.45 121.622,72.1 122.146,72.1 122.496,72.45 R302.2
V_out: P801.7 P801.8 R305.2 | length 27
  Bottom Layer w1.651: 93.5,47.279 93.5,43.5 99.5,37.5 102.145,34.855 R305.2
VIN0: C502_T1.2 R501_T1.1 U201.18 | length 5.5
  Bottom Layer w0.203: C502_T1.2 64.12,75.3 64.5,74.92 U201.18 ; R501_T1.1 C502_T1.2@62.801,75.299
VIN1: C502_T2.2 R501_T2.1 U201.19 | length 8.1
  Bottom Layer w0.203: R501_T2.1 C502_T2.2 60.701,75.621 61,75.92 64.05,75.92 64.5,75.47 66.15,75.47 U201.19
VIN2: C402_PD1.2 R402_PD1.1 U201.20 | length 10.1
  Bottom Layer w0.203: R402_PD1.1 C402_PD1.2 59.601,76.3 64.27,76.3 64.65,75.92 U201.20
VIN3: C402_PD2.2 R402_PD2.1 U201.1 | length 16.3
  Bottom Layer w0.203: R402_PD2.1 C402_PD2.2 56.5,75.8 57.5,76.8 57.5,77.8 58.3,78.6 67,78.6 67.4,78.2 U201.1
VIN4: C303.2 R311.1 U201.2 | length 19.4
  Bottom Layer w0.203: R311.1 54.4,75.319 54.401,75.521 54.8,75.92 55.4,76.52 55.4,77.9 56.465,78.965 67.4,78.965 67.9,78.465 U201.2
VIN5: C302.2 R310.1 U201.3 | length 22.2
  Bottom Layer w0.254: R310.1 C302.2 52.3,75.568 53.3,76.568 53.3,77.6 55,79.3 56.261,79.3 56.307,79.346 67.558,79.346 68.281,78.623 68.281,78.6 68.4,78.6 U201.3
VIN6: C201.1 C202.2 C203.2 C204.1 C301.1 C302.1 C303.1 C401_PD1.1 C401_PD2.1 C402_PD1.1 C402_PD2.1 C501_T1.1 C501_T2.1 C502_T1.1 C502_T2.1 OP301.4 OP301.9 P1.1 P2.1 P5.1 P6.1 P801.3 P801.M1 P801.M2 R102.2 R307.2 R309.2 R401_PD1.1 R401_PD2.1 U201.4 U201.5 U201.6 U201.9 U201.21 U501_T1.1 U501_T1.2 U501_T1.5 U501_T2.1 U501_T2.2 U501_T2.5 | length 11.1
  Bottom Layer w0.203: C402_PD2.1 56.5,77.9 v4(56.8,78.2) ; C402_PD1.1 58.601,77.501 v4(59,77.9) ; C502_T2.1 60.701,77.801 v4(60.8,77.9) ; C502_T1.1 v4(62.8,77.9)
  Bottom Layer w0.254: C302.1 52.3,78.1 v4(52.4,78.2) ; C303.1 54.401,77.801 v4(54.8,78.2) ; C501_T1.1 57.814,63.014 58.3,63.5 v4(58.3,64.714) ; v4(115.084,70.35) C301.1
  other v1: 12,6 16,6 20,6 24,6 28,6 32,6 36,6 40,6 68,6 72,6 76,6 80,6 84,6 88,6 92,6 176,6 180,6 184,6 188,6 192,6 196,6 200,6 204,6 14,10 18,10 22,10 26,10 30,10 34,10 38,10 42,10 70,10 74,10 78,10 82,10 86,10 90,10 94,10 98,10 178,10 182,10 186,10 190,10 194,10 198,10 202,10 206,10 210,10 12,14 16,14 20,14 32,14 36,14 40,14 44,14 68,14 72,14 76,14 80,14 88,14 92,14 96,14 100,14 128,14 132,14 136,14 140,14 144,14 148,14 152,14 156,14 176,14 180,14 184,14 188,14 200,14 204,14 208,14 14,18 18,18 22,18 34,18 38,18 42,18 46,18 70,18 74,18 78,18 90,18 94,18 98,18 102,18 130,18 134,18 138,18 142,18 146,18 150,18 154,18 158,18 162,18 178,18 182,18 186,18 198,18 202,18 206,18 210,18 12,22 16,22 20,22 24,22 32,22 36,22 40,22 44,22 68,22 72,22 76,22 80,22 88,22 92,22 96,22 100,22 128,22 132,22 136,22 140,22 148,22 152,22 156,22 160,22 176,22 180,22 184,22 188,22 196,22 200,22 204,22 208,22 130,26 134,26 138,26 198,26 202,26 206,26 210,26 196,30 200,30 204,30 208,30 22,34 34,34 38,34 42,34 46,34 78,34 94,34 98,34 130,34 134,34 138,34 150,34 154,34 158,34 162,34 198,34 202,34 206,34 210,34 32,38 36,38 40,38 44,38 80,38 96,38 140,38 148,38 152,38 156,38 160,38 200,38 204,38 208,38 22,42 34,42 38,42 42,42 46,42 78,42 98,42 102,42 138,42 150,42 154,42 158,42 162,42 186,42 198,42 202,42 206,42 210,42 20,46 24,46 32,46 36,46 40,46 44,46 80,46 96,46 140,46 148,46 152,46 156,46 160,46 188,46 196,46 200,46 204,46 208,46 14,50 18,50 22,50 34,50 38,50 42,50 46,50 70,50 74,50 78,50 102,50 138,50 150,50 154,50 158,50 162,50 178,50 182,50 186,50 198,50 202,50 206,50 210,50 12,54 16,54 20,54 24,54 32,54 36,54 40,54 44,54 68,54 72,54 76,54 100,54 128,54 132,54 136,54 140,54 148,54 152,54 156,54 160,54 176,54 180,54 184,54 188,54 196,54 200,54 204,54 208,54 14,58 18,58 22,58 34,58 38,58 42,58 46,58 70,58 74,58 78,58 94,58 98,58 102,58 130,58 134,58 138,58 150,58 154,58 158,58 162,58 178,58 182,58 186,58 198,58 202,58 206,58 210,58 12,62 16,62 20,62 24,62 32,62 36,62 40,62 68,62 72,62 76,62 80,62 96,62 100,62 128,62 132,62 136,62 140,62 148,62 152,62 156,62 160,62 176,62 180,62 184,62 188,62 196,62 200,62 204,62 208,62 14,66 18,66 22,66 26,66 30,66 34,66 38,66 42,66 70,66 74,66 78,66 82,66 130,66 134,66 138,66 150,66 154,66 158,66 162,66 178,66 182,66 186,66 190,66 194,66 198,66 202,66 206,66 12,70 16,70 20,70 24,70 28,70 32,70 36,70 40,70 128,70 132,70 136,70 140,70 148,70 152,70 156,70 160,70 176,70 180,70 184,70 188,70 192,70 196,70 200,70 204,70 130,74 134,74 138,74 142,74 146,74 150,74 154,74 158,74 128,78 132,78 136,78 140,78 144,78 148,78 152,78 156,78
  other v2: 2,2 6,2 10,2 14,2 18,2 22,2 26,2 30,2 34,2 38,2 42,2 62,2 66,2 70,2 74,2 78,2 82,2 86,2 90,2 94,2 98,2 110,2 142,2 146,2 150,2 170,2 174,2 178,2 182,2 186,2 190,2 194,2 198,2 202,2 206,2 210,2 4,6 8,6 44,6 48,6 64,6 96,6 140,6 144,6 148,6 152,6 156,6 172,6 208,6 212,6 2,10 6,10 10,10 46,10 62,10 66,10 102,10 110,10 142,10 146,10 150,10 154,10 170,10 174,10 8,14 24,14 48,14 52,14 56,14 64,14 104,14 124,14 160,14 164,14 172,14 196,14 212,14 10,18 50,18 54,18 66,18 106,18 126,18 174,18 8,22 48,22 52,22 56,22 64,22 104,22 108,22 124,22 164,22 172,22 212,22 90,26 94,26 98,26 102,26 106,26 114,26 126,26 212,30 30,34 50,34 54,34 126,34 186,34 20,38 48,38 52,38 56,38 88,38 104,38 112,38 164,38 188,38 196,38 212,38 30,42 50,42 54,42 106,42 110,42 114,42 8,46 12,46 16,46 48,46 52,46 56,46 64,46 68,46 72,46 76,46 88,46 92,46 104,46 108,46 112,46 164,46 172,46 176,46 180,46 184,46 212,46 10,50 30,50 50,50 54,50 66,50 98,50 106,50 110,50 114,50 174,50 8,54 48,54 52,54 56,54 64,54 88,54 104,54 108,54 112,54 124,54 164,54 172,54 212,54 10,58 50,58 54,58 66,58 106,58 110,58 114,58 126,58 174,58 8,62 44,62 48,62 52,62 64,62 104,62 112,62 124,62 164,62 172,62 212,62 2,66 6,66 10,66 46,66 62,66 66,66 86,66 98,66 102,66 106,66 110,66 114,66 126,66 166,66 170,66 174,66 210,66 4,70 8,70 44,70 48,70 52,70 56,70 60,70 72,70 76,70 92,70 124,70 164,70 168,70 172,70 208,70 212,70 2,74 6,74 10,74 14,74 18,74 22,74 26,74 30,74 78,74 82,74 86,74 162,74 186,74 190,74 194,74 198,74 202,74 206,74 210,74
  other v5: 67.85,74.37 68.95,74.37 67.85,75.47 68.95,75.47
pads on no net: P3.1 P4.1
copper on no net:
  other v3: 33.94,75.968 35.21,75.968 43.94,75.968 45.21,75.968 168.79,75.968 170.06,75.968 178.79,75.968 180.06,75.968 33.305,76.73 35.845,76.73 43.305,76.73 45.845,76.73 168.155,76.73 170.695,76.73 178.155,76.73 180.695,76.73 32.543,77.365 36.607,77.365 42.543,77.365 46.607,77.365 167.393,77.365 171.457,77.365 177.393,77.365 181.457,77.365 32.67,78.635 36.607,78.635 42.67,78.635 46.607,78.635 167.52,78.635 171.457,78.635 177.52,78.635 181.457,78.635 33.305,79.27 35.845,79.27 43.305,79.27 45.845,79.27 168.155,79.27 170.695,79.27 178.155,79.27 180.695,79.27 33.94,80.032 35.21,80.032 43.94,80.032 45.21,80.032 168.79,80.032 170.06,80.032 178.79,80.032 180.06,80.032

## Polygon pours and split planes (outlines as drawn)
VIN6 on Bottom Layer "NONET_L04_P-001" (solid, pour order 4): -12.5,85 221,85 221.5,84.5 221.5,0 -9,0
VIN6 on Top Layer "NONET_L04_P-001" (solid, pour order 5): -13,85 220.5,85 221,84.5 221,0 -9.5,0

## Keep-outs
Bottom Layer:
  circle w4: c107,68 r1.75
  circle w4: c209.6,6.9 r1.75
  circle w4: c4.15,7 r1.75
  circle w4: c4.15,68 r1.75
  circle w4: c209.85,68 r1.75
  circle w4: c106.95,7 r1.75
Keep-Out Layer:
  lines w0.254: 38.015,81 0,81 0,18 0.65,18 0.65,11 0,11 0,0 49.965,0 49.965,10 55.965,10 55.965,0 111,0 111,24 116.8,24 116.8,18.25 121.965,18.25 121.965,9.5 139.2,9.5 139.2,0 158,0 158,10.5 164,10.5 164,0 214,0 214,11 214,18 214,81 ; 38.055,81 38.055,75 41.055,75 41.055,80.99 41.065,81 172.925,81 172.925,75 175.915,75 175.925,75.01 175.925,81 206.665,81 214,81 ; 214,81 214,81 ; 6.9,30.254 6.9,45.254 19.05,45.254 19.05,30.254 6.9,30.254 ; 63.9,30.254 63.9,45.254 76.05,45.254 76.05,30.254 63.9,30.254 ; 123.4,37.754 123.4,52.754 135.55,52.754 135.55,37.754 123.4,37.754 ; 171.4,30.254 171.4,45.254 183.55,45.254 183.55,30.254 171.4,30.254

## Other copper
Top Layer:
  rectangle net NetPV801_2: 166.05,11.754 171.1,63.854
  rectangle net NetPV802_2: 117.45,19.254 122.5,71.354
  rectangle net V-: 0.95,11.754 6,63.854
  rectangle net NetPV803_1: 57.95,11.754 63,63.854
Bottom Layer:
  rectangle net V_out: 92.5,47 94.5,48.5
  rectangle net V-: 89.5,47 91.5,48.5

## Silkscreen, mask and mechanical layers (free items; w line width, h text height)
Top Overlay:
  drawing of 4297 lines, arcs and shapes, not listed
  text "ZENITH" at 100.15,79.359 h2
  text "HYPERION: STAR" at 187.5,78.235 h3
  text "'.Print_Date'  V'.ProjectVersion' SVN '.SVNVersion'" at 187,76.1 h2
  text "Nicholas J. Sorensen" at 187,74.1 h2
  text "RAM" at 212.159,73.775 h2 r270
  text "ANTIRAM" at 0.359,32.94 h2 r270
Bottom Overlay:
  text "ZENITH" at 109.85,79.359 h2
  text "RAM" at 212.159,66.225 h2 r270
  text "3V3" at 87.95,44.423 h0.7 r270
  text "SDA" at 83.35,44.323 h0.7 r270
  text "SCL" at 84.75,44.323 h0.7 r270
  text "GND" at 86.357,44.323 h0.7 r270
  text "VSD-" at 89.515,43.723 h0.7 r270
  text "VSD-" at 90.985,43.723 h0.7 r270
  text "VSD+" at 92.455,43.723 h0.7 r270
  text "VSD+" at 93.925,43.723 h0.7 r270
  text "ANTIRAM" at 0.359,21.06 h2 r270
Mechanical 1:
  lines w0.254: 38.015,81 0,81 0,18 0.65,18 0.65,11 0,11 0,0 49.965,0 49.965,10 55.965,10 55.965,0 111,0 111,24 116.8,24 116.8,18.25 121.965,18.25 121.965,9.5 139.2,9.5 139.2,0 158,0 158,10.5 164,10.5 164,0 214,0 214,11 214,18 214,81 ; 38.055,81 38.055,75 41.055,75 41.055,80.99 41.065,81 172.925,81 172.925,75 175.915,75 175.925,75.01 175.925,81 206.665,81 214,81 ; 214,81 214,81 ; 6.9,30.254 19.05,30.254 19.05,45.254 6.9,45.254 6.9,30.254 ; 63.9,30.254 76.05,30.254 76.05,45.254 63.9,45.254 63.9,30.254 ; 123.4,37.754 135.55,37.754 135.55,52.754 123.4,52.754 123.4,37.754 ; 171.4,30.254 171.4,45.254 183.55,45.254 183.55,30.254 171.4,30.254

## Text inside footprints (layer, text, board x,y; h text height)
PV801: Top Overlay "+" at 192.535,64.424 h0.7 r90; Top Overlay "+" at 192.535,42.199 h0.7 r90; Top Overlay "+" at 192.535,19.974 h0.7 r90; Top Overlay "-" at 167.872,54.848 h0.7 r90; Top Overlay "-" at 167.9,41.31 h0.7 r90; Top Overlay "-" at 167.9,20.609 h0.7 r90
PV802: Top Overlay "+" at 144.535,71.924 h0.7 r90; Top Overlay "+" at 144.535,49.699 h0.7 r90; Top Overlay "+" at 144.535,27.474 h0.7 r90; Top Overlay "-" at 119.872,62.348 h0.7 r90; Top Overlay "-" at 119.9,48.81 h0.7 r90; Top Overlay "-" at 119.9,28.109 h0.7 r90
PV803: Top Overlay "+" at 28.035,64.424 h0.7 r90; Top Overlay "+" at 28.035,42.199 h0.7 r90; Top Overlay "+" at 28.035,19.974 h0.7 r90; Top Overlay "-" at 3.372,54.848 h0.7 r90; Top Overlay "-" at 3.4,41.31 h0.7 r90; Top Overlay "-" at 3.4,20.609 h0.7 r90
PV804: Top Overlay "+" at 85.035,64.424 h0.7 r90; Top Overlay "+" at 85.035,42.199 h0.7 r90; Top Overlay "+" at 85.035,19.974 h0.7 r90; Top Overlay "-" at 60.372,54.848 h0.7 r90; Top Overlay "-" at 60.4,41.31 h0.7 r90; Top Overlay "-" at 60.4,20.609 h0.7 r90